# Altium PCB pcb-ash-power.PcbDoc (part 5 of 6)
Units mm, origin at the board's own origin, x right, y up, seen from the top; angles counter-clockwise.
Board outline 140 x 87 mm, 4 copper layers (Top Layer, VCC, GND, Bottom Layer), stack 1.641 mm thick; 589 components, 453 nets, 2323 pads, 1205 vias.
Unrouted connection lines stored in the file: 345.
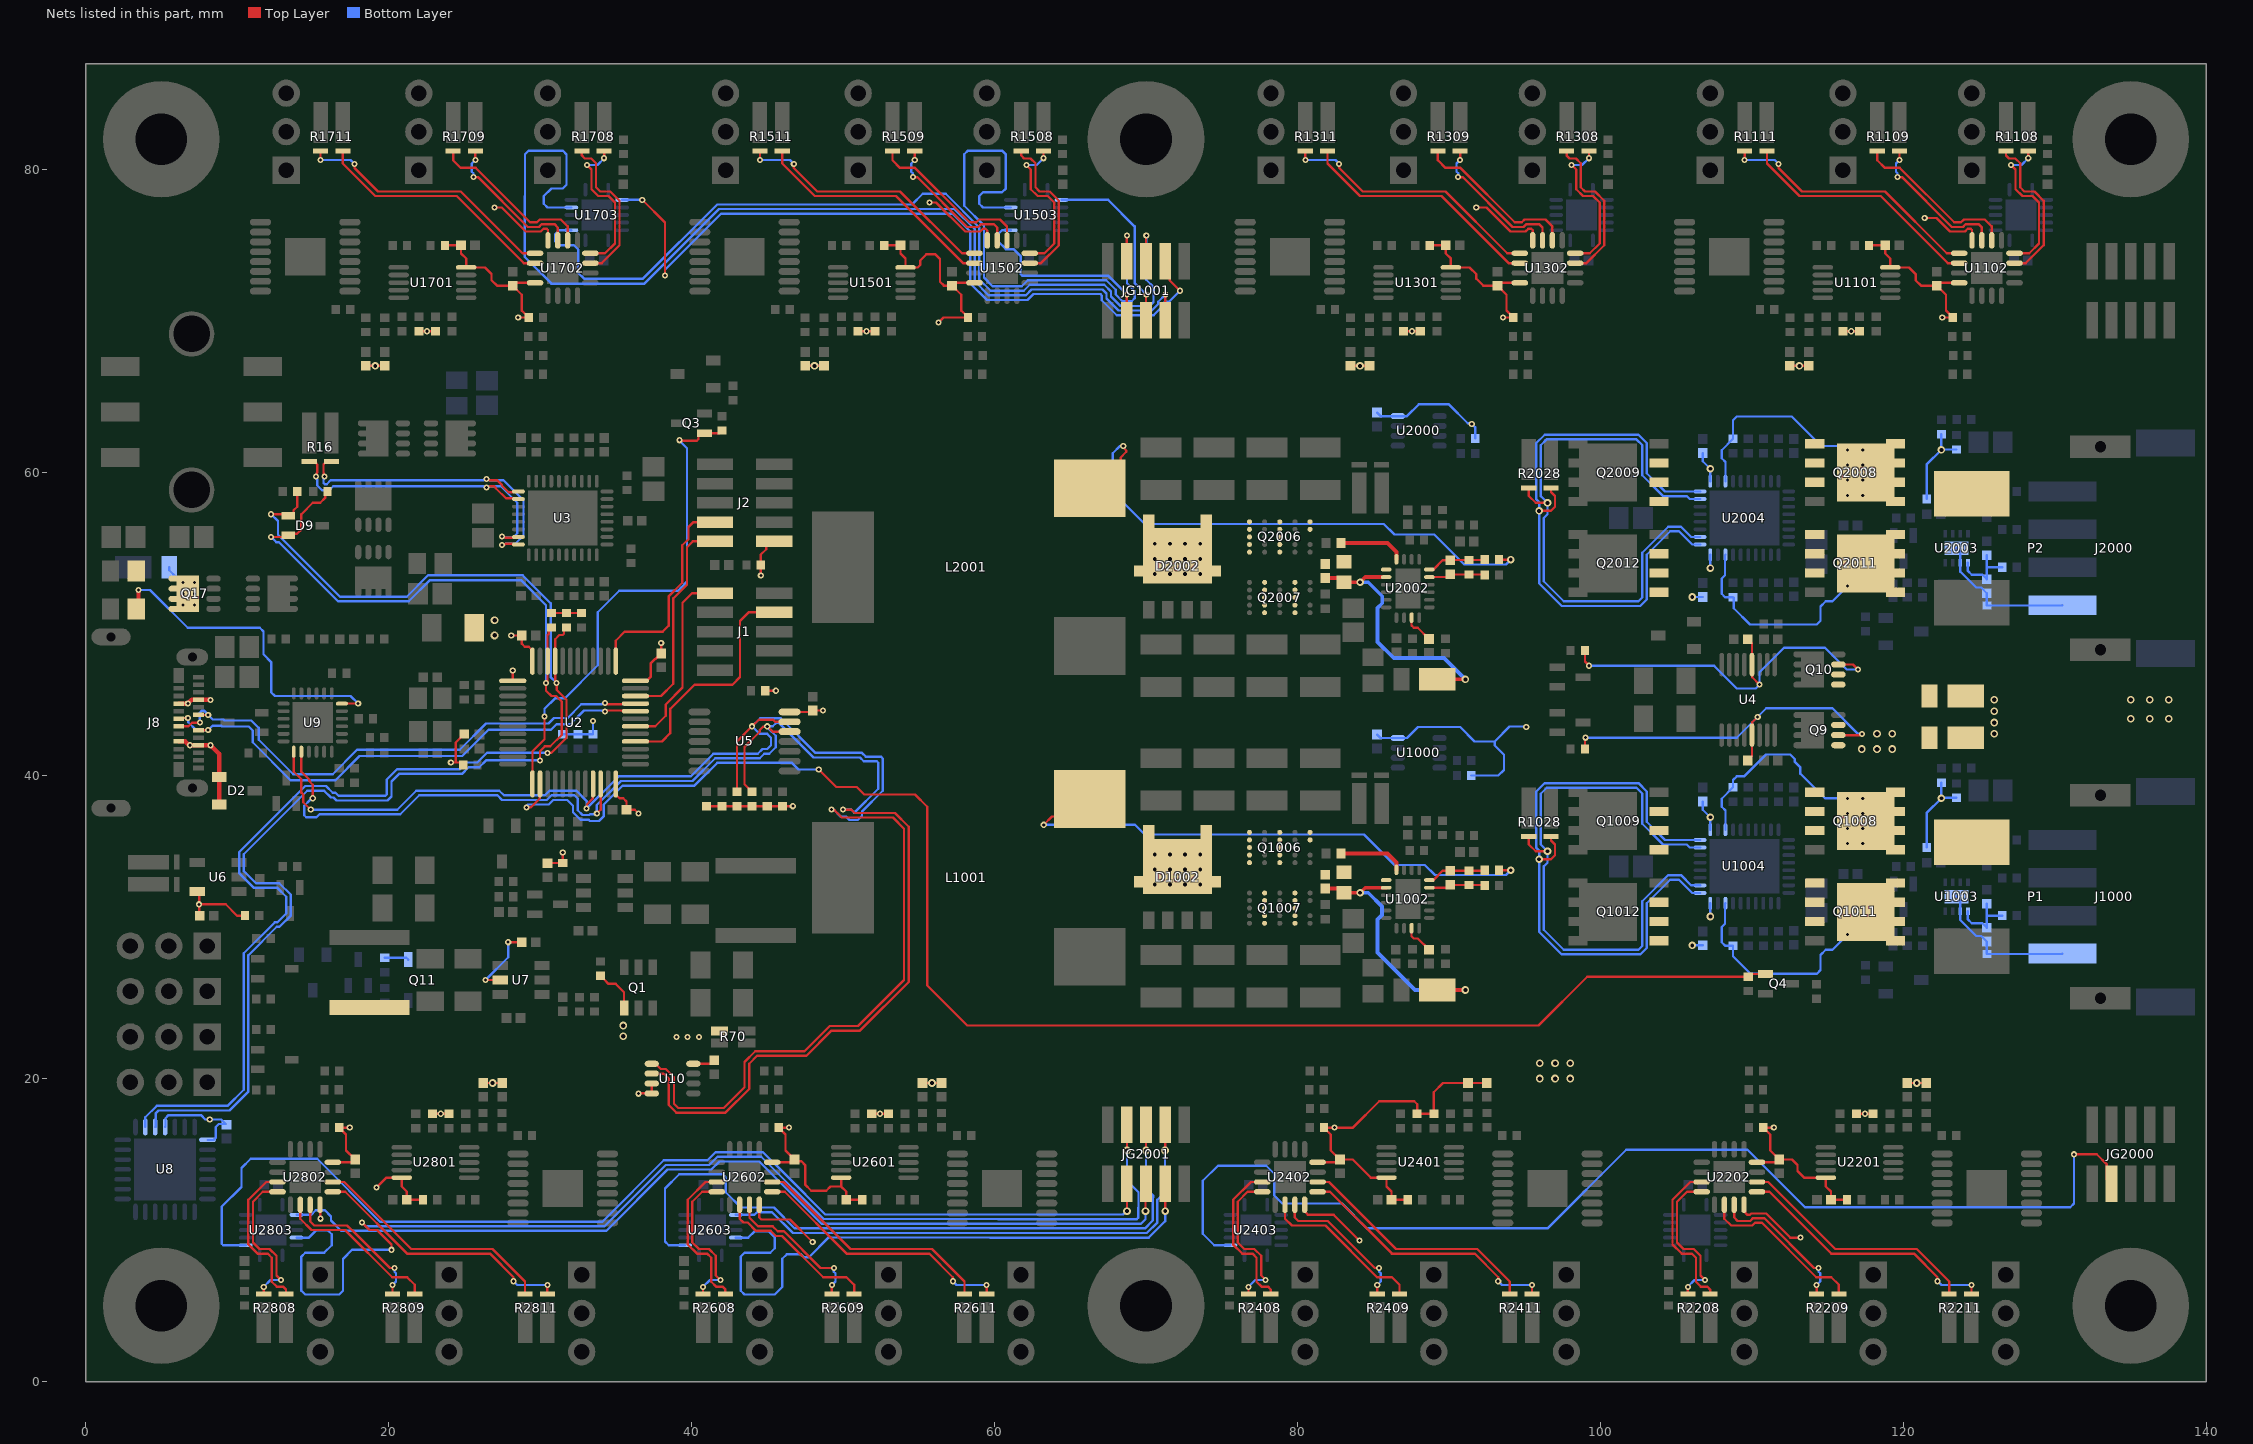
[diagram p7: the nets of this part, all layers, seen from the top]

## Via types
v1: diameter 0.5, hole 0.25, Top Layer to Bottom Layer, tented both sides, 250 vias
v2: diameter 0.406, hole 0.203, Top Layer to Bottom Layer, 244 vias
v3: diameter 0.5, hole 0.2, Top Layer to Bottom Layer, 202 vias
v4: diameter 0.508, hole 0.3, Top Layer to Bottom Layer, 155 vias
v5: diameter 0.4, hole 0.2, Top Layer to Bottom Layer, tented both sides, 103 vias
v6: diameter 0.508, hole 0.254, Top Layer to Bottom Layer, tented both sides, 82 vias
v7: diameter 1.27, hole 0.7, Top Layer to Bottom Layer, 48 vias
v8: diameter 0.4, hole 0.2, Top Layer to Bottom Layer, 47 vias
v9: diameter 0.5, hole 0.254, Top Layer to Bottom Layer, 24 vias
v10: diameter 0.508, hole 0.254, Top Layer to Bottom Layer, 19 vias
v11: diameter 0.508, hole 0.2, Top Layer to Bottom Layer, 17 vias
v12: diameter 0.406, hole 0.203, Top Layer to Bottom Layer, tented both sides, 10 vias
v13: diameter 0.508, hole 0.2, Top Layer to Bottom Layer, tented both sides, 4 vias

## Nets (pads, with @x,y where several pads share a name; then routed paths per layer and width w, separated by ;. In a path a pad name is that pad's centre, name@x,y a point inside that pad or via, vN(x,y) a via of type N, cw(c..) or ccw(c..) an arc to the next point about the centre after c; other vN are vias at no path point) (continued)
S5_LEG_R: JG2000.8 U2403.9 | length 77.1
  Top Layer w0.152: v2(131.25,15) 132.75,15 133.426,14.324 133.426,13.354 JG2000.8@133.73,13.05
  Bottom Layer w0.152: U2403.9@75.575,9 74.5,9 73.75,9.75 73.75,13.25 74.75,14.25 77.943,14.25 78.471,13.721 78.471,12.279 79,11.75 82.931,11.75 84.571,10.11 84.985,10.11 84.995,10.119 95.964,10.119 95.974,10.11 96.497,10.11 101.693,15.305 109.695,15.305 113.5,11.5 131,11.5 131.25,11.75 v2(131.25,15)
S6_LEG_L: JG1001.3 U1503.2 | length 13.8
  Top Layer w0.152: JG1001.3@68.73,70.05 68.73,71.73 v2(68.75,71.75)
  Bottom Layer w0.152: U1503.2@61.075,76 60.5,76 60.25,75.75 60.25,75.25 60.75,74.75 61.25,74.75 61.741,74.259 61.741,73.089 61.831,73 67.5,73 v2(68.75,71.75)
S6_LEG_R: JG2001.3 U2603.2 | length 35.4
  Top Layer w0.152: v6(71.25,15.25) 71.27,15.27 JG2001.3@71.27,16.95
  Bottom Layer w0.152: U2603.2@42.925,11 44.139,11 44.321,11.182 45.318,11.182 46.695,9.805 48.916,9.805 48.921,9.81 59.843,9.81 59.847,9.805 70.055,9.805 70.75,10.5 70.75,12 71.25,12.5 v6(71.25,15.25)
S7_LEG_L: JG1001.4 U1503.5 | length 35.8
  Top Layer w0.152: JG1001.4@68.73,73.95 68.73,75.63 v2(68.75,75.65)
  Bottom Layer w0.152: U1503.5@61.075,77.5 59.25,77.5 59,77.75 59,78.25 59.25,78.5 60.5,78.5 60.75,78.75 60.75,81 60.5,81.25 58.25,81.25 58.005,81.005 58.005,77.755 58,77.75 58,77.612 59.305,76.307 59.305,72.876 59.876,72.305 61.805,72.305 62.195,72.695 67.374,72.695 68,72.069 68,71.75 68.445,71.305 69.055,71.305 69.25,71.5 69.25,72 68.75,72.5 v2(68.75,75.65)
S7_LEG_R: JG2001.4 U2603.5 | length 42.2
  Top Layer w0.152: v6(71.27,11.25) JG2001.4@71.27,13.05
  Bottom Layer w0.152: U2603.5@42.925,9.5 43.75,9.5 44.15,9.9 45.1,9.9 45.5,9.5 45.5,8.8 45.2,8.5 43.5,8.5 43.25,8.25 43.25,6 43.5,5.75 45.5,5.75 45.995,6.245 45.995,8.104 46.296,8.404 47.227,8.404 47.421,8.21 47.752,8.21 49.047,9.505 59.716,9.505 59.721,9.5 70.181,9.5 71.27,10.589 v6(71.27,11.25)
S8_LEG_L: JG1001.5 U1503.9 | length 12.1
  Top Layer w0.152: JG1001.5@70,70.05 70,71.73 v2(70.02,71.75)
  Bottom Layer w0.152: U1503.9@64.425,78 67.5,78 69.25,76.25 69.25,72.52 v2(70.02,71.75)
S8_LEG_R: JG2001.5 U2603.9 | length 46.3
  Top Layer w0.152: v6(70,15.25) JG2001.5@70,16.95
  Bottom Layer w0.152: U2603.9@39.575,9 38.5,9 38.25,9.25 38.25,12.75 39.186,13.686 42.064,13.686 42.25,13.5 42.25,13.423 42.259,13.415 42.259,12.491 43.263,11.487 45.444,11.487 46.821,10.11 48.79,10.11 48.795,10.114 59.969,10.114 59.974,10.11 69.929,10.11 70.445,10.626 70.445,12.126 70.471,12.152 70.471,12.279 70,12.75 v6(70,15.25)
S9_LEG_L: JG1001.6 U1703.2 | length 57.4
  Top Layer w0.152: JG1001.6@70,73.95 70,75.63 v2(70.02,75.65)
  Bottom Layer w0.152: U1703.2@32.075,76 31.25,76 31,75.75 31,75.25 31.25,75 32.25,75 32.529,74.721 32.529,73.171 32.9,72.8 36.8,72.8 41.695,77.695 54.557,77.695 55.262,78.4 56.781,78.4 59,76.181 59,72.75 59.75,72 61.931,72 62.321,72.39 67.247,72.39 67.695,71.943 67.695,71.624 68.319,71 70.25,71 70.5,71.25 70.5,72.25 70.02,72.73 v2(70.02,75.65)
S9_LEG_R: JG2001.6 U2803.2 | length 63
  Top Layer w0.152: v6(69.963,11.25) 69.963,13.013 JG2001.6@70,13.05
  Bottom Layer w0.152: U2803.2@13.925,11 14.9,11 15.2,11.3 15.8,11.3 16.2,10.9 16.2,10.631 16.886,9.945 34.376,9.945 38.421,13.99 41.304,13.99 41.842,14.529 44.471,14.529 48.581,10.419 60.095,10.419 60.1,10.414 69.664,10.414 69.963,10.713 v6(69.963,11.25)
S10_LEG_L: JG1001.7 U1703.5 | length 68.5
  Top Layer w0.152: JG1001.7@71.27,70.05 71.27,71.73 v2(71.29,71.75)
  Bottom Layer w0.152: U1703.5@32.075,77.5 30.5,77.5 30.25,77.75 30.25,78.25 30.75,78.75 31.5,78.75 31.75,79 31.75,81 31.5,81.25 29.25,81.25 29.005,81.005 29.005,78.255 29,78.25 29,74.223 30.752,72.471 36.902,72.471 41.821,77.39 57.36,77.39 58.695,76.055 58.695,72.624 59.624,71.695 62.057,71.695 62.448,72.086 67.121,72.086 67.39,71.816 67.39,71.497 68.193,70.695 70.376,70.695 70.809,71.128 70.809,71.269 v2(71.29,71.75)
S10_LEG_R: JG2001.7 U2803.5 | length 80.8
  Top Layer w0.152: v2(18.25,10.5) 18.75,10 19.244,10 20.195,9.049 v2(20.195,8.695) ; JG2001.7@68.73,16.95 68.75,16.97 v6(68.75,15.25)
  Bottom Layer w0.152: U2803.5@13.925,9.5 14.75,9.5 15.245,9.995 15.974,9.995 16.25,9.719 16.25,9 15.75,8.5 14.5,8.5 14.25,8.25 14.25,6 14.5,5.75 16.75,5.75 16.995,5.995 16.995,8.095 17.595,8.695 v2(20.195,8.695) ; v2(18.25,10.5) 18.5,10.25 34.25,10.25 38.295,14.295 41.177,14.295 41.716,14.833 44.598,14.833 48.707,10.724 60.221,10.724 60.226,10.719 69.391,10.719 69.48,10.808 69.48,11.45 69.5,11.47 69.5,12.5 68.75,13.25 v6(68.75,15.25)
S11_LEG_L: JG1001.8 U1703.9 | length 51.3
  Top Layer w0.152: v2(36.75,78) 38.25,76.5 v2(38.25,73) ; JG1001.8@71.27,73.95 71.574,73.646 71.574,72.676 v2(72.25,72)
  Bottom Layer w0.152: U1703.9@35.425,78 v2(36.75,78) ; v2(38.25,73) 38.25,73.388 41.948,77.086 57.233,77.086 58.39,75.929 58.39,72.497 59.497,71.39 62.184,71.39 62.574,71.781 66.995,71.781 67.086,71.69 67.086,71.371 68.066,70.39 70.503,70.39 71.114,71.002 71.114,71.143 71.24,71.269 71.519,71.269 v2(72.25,72)
S11_LEG_R: JG2001.8 U2803.9 | length 73.1
  Top Layer w0.152: JG2001.8@68.73,13.05 68.75,13.03 v6(68.75,11.25)
  Bottom Layer w0.152: U2803.9@10.575,9 9.089,9 9,9.089 9,11.55 10.3,12.85 10.3,14.1 10.9,14.7 15.3,14.7 19.445,10.555 34.124,10.555 38.169,14.6 41.051,14.6 41.589,15.138 44.724,15.138 46.231,13.631 48.833,11.029 60.348,11.029 60.352,11.024 68.483,11.024 68.709,11.25 v6(68.75,11.25)
SCL_BAT: D9.1 R9.1 R40.2 U2.45 U8.23 | length 92
  Top Layer w0.152: v2(12.25,57.25) 13.275,57.25 D9.1@13.375,57.15 13.56,57.15 13.734,57.324 13.734,57.509 13.975,57.75 R40.2@13.975,58.75 ; v2(30.5,41.5) 30.75,41.5 31.75,42.5 31.75,45 31.1,45.65 v2(31.1,46.1) 31,46.2 U2.45@31,47.55 31,49 31.271,49.271 31.496,49.271 31.586,49.361 31.586,49.611 R9.1@31.75,49.775
  Bottom Layer w0.152: U8.23@3.95,16.8 3.95,17.45 4.695,18.195 9.376,18.195 10.445,19.264 10.445,28.264 12.499,30.318 12.679,30.318 13.25,30.889 13.25,32 12.664,32.586 11.121,32.586 10.14,33.566 10.14,34.934 14.512,39.305 15.876,39.305 16.321,38.86 16.503,38.86 16.698,38.664 19.801,38.664 19.89,38.754 19.89,39.739 20.566,40.414 24.721,40.414 25.166,40.86 25.86,40.86 26.5,41.5 v2(30.5,41.5) ; v2(12.25,57.25) 12.7,56.8 12.7,55.9 16.795,51.805 21.205,51.805 22.615,53.215 28.854,53.215 30.7,51.369 30.7,46.5 v2(31.1,46.1)
SCL_PWR: R11.1 U2.21 U5.13 U9.7 U10.5 | length 104.6
  Top Layer w0.152: U9.7@13.75,41.575 13.75,40.25 14.25,39.75 14.25,38.873 14.379,38.745 14.379,38.239 v2(14.868,37.75) ; v2(33.077,37.825) 33.104,37.852 33.104,38.104 33.485,38.485 33.485,39.435 U2.21@33.5,39.45 ; U10.5@37.375,20.975 37.627,20.975 37.972,20.63 38.301,20.63 38.841,20.091 38.841,18.341 39.126,18.055 42.124,18.055 43.5,19.431 43.5,21.1 44.205,21.805 47.457,21.805 49.121,23.469 50.995,23.469 54.031,26.505 54.031,36.495 53.3,37.226 49.913,37.226 49.568,37.571 49.568,37.584 49.451,37.701 49.299,37.701 v2(49.25,37.75) ; R11.1@43,38.925 43,42.25 v2(44,43.25) 44.432,43.682 45.388,43.682 45.519,43.55 U5.13@46.475,43.55
  Bottom Layer w0.152: v2(14.868,37.75) 20.577,37.75 21.827,39 27.314,39 27.619,38.695 30.324,38.695 30.629,39 32.4,39 33.077,38.323 v2(33.077,37.825) 35.197,39.945 39.945,39.945 41.445,41.445 44.376,41.445 44.681,41.75 45,41.75 45.25,42 45.25,42.5 45,42.75 44.5,42.75 v2(44,43.25) 44.531,43.781 45.895,43.781 48.181,41.495 51.25,41.495 51.495,41.25 52.5,41.25 52.627,41.123 52.627,39 51.25,37.623 51.25,37.339 50.979,37.068 50.432,37.068 50.201,37.299 49.84,37.299 49.389,37.75 v2(49.25,37.75)
SDA_BAT: D9.2 R10.1 R39.2 U2.46 U8.24 | length 92.4
  Top Layer w0.152: v2(12.25,55.75) 13.275,55.75 D9.2@13.375,55.85 13.489,55.964 13.964,55.964 14.25,56.25 14.25,57.25 15,58 15.5,58 15.816,58.316 15.816,58.591 R39.2@15.975,58.75 ; v2(30,41) 30,41.611 30.321,41.932 30.682,41.932 31.445,42.695 31.445,44.874 31.069,45.25 30.75,45.25 30.4,45.6 v2(30.4,46.1) 30.5,46.2 U2.46@30.5,47.55 30.5,49.275 30.586,49.361 30.586,49.611 R10.1@30.75,49.775
  Bottom Layer w0.152: U8.24@4.6,16.8 4.628,16.828 4.628,17.697 4.821,17.89 9.503,17.89 10.75,19.138 10.75,28.138 12.626,30.013 12.805,30.013 13.555,30.763 13.555,32.126 12.791,32.89 11.248,32.89 10.445,33.693 10.445,34.807 14.638,39 15.75,39 16.195,38.555 16.376,38.555 16.571,38.36 19.929,38.36 20.195,38.626 20.195,39.613 20.692,40.11 24.847,40.11 25.293,40.555 25.986,40.555 26.431,41 v2(30,41) ; v2(12.25,55.75) 12.6,55.4 12.769,55.4 12.834,55.335 16.669,51.5 21.331,51.5 22.731,52.9 28.738,52.9 30.395,51.243 30.395,46.105 v2(30.4,46.1)
SDA_PWR: R12.1 U2.22 U5.12 U9.8 U10.6 | length 102.5
  Top Layer w0.152: U9.8@14.25,41.575 14.25,40.25 14.8,39.7 14.75,39.65 15,39.4 v2(15,38.5) ; v2(33.75,37.5) 34,37.75 U2.22@34,39.45 ; U10.6@37.375,20.325 38.175,20.325 38.5,20 38.5,18.25 39,17.75 42.25,17.75 43.805,19.305 43.805,20.974 44.331,21.5 47.583,21.5 49.247,23.164 51.121,23.164 54.336,26.379 54.336,36.621 53.426,37.531 50.781,37.531 50.562,37.75 v2(50,37.75) ; R12.1@44,38.925 43.5,39.425 43.5,41.889 44.5,42.889 44.5,43 44.722,43.222 44.972,43.222 v2(45,43.25) 45.35,42.9 U5.12@46.475,42.9
  Bottom Layer w0.152: v2(15,38.5) 14.931,38.5 14.814,38.383 14.811,38.383 14.436,38.007 14.436,37.378 14.564,37.25 15.25,37.25 15.445,37.445 20.777,37.445 22.027,38.695 27.188,38.695 27.493,38.39 30.45,38.39 30.755,38.695 32.274,38.695 32.484,38.484 32.484,37.709 32.8,37.393 33.256,37.393 33.318,37.456 33.706,37.456 v2(33.75,37.5) 33.75,38.05 35.34,39.64 40.071,39.64 41.571,41.14 44.503,41.14 44.807,41.445 45.126,41.445 45.555,41.874 45.555,42.626 45.118,43.063 45,43.181 v2(45,43.25) 45.364,43.25 45.59,43.476 45.769,43.476 48.054,41.19 51.124,41.19 51.369,40.945 52.233,40.945 52.322,40.856 52.322,39.126 50.75,37.554 50.554,37.75 v2(50,37.75)
SELF_TEST_OK: J1.7 U2.28 | length 15.8
  Top Layer w0.152: U2.28@36.3,42.25 38.05,42.25 38.6,42.8 38.6,44.4 40.2,46 42.7,46 43.2,46.5 43.2,50.2 43.77,50.77 J1.7@45.45,50.77
SENSE1_HS_L_N: R1028.4 U1004.30 U1004.35 | length 39.6
  Top Layer w0.152: R1028.4@95.265,35.975 95.265,35.455 95.72,35 v6(96.5,35)
  Bottom Layer w0.152: U1004.30@106.575,32.75 105.99,32.75 105.311,33.429 104.479,33.429 102.75,31.7 102.75,28.75 102.5,28.5 97.575,28.5 96.255,29.82 96.255,34.005 96.5,34.25 v6(96.5,35) 96.055,35.445 96.055,38.805 96.445,39.195 102.374,39.195 102.75,38.819 102.75,36.824 104.129,35.445 105.7,35.445 105.895,35.25 U1004.35@106.575,35.25
SENSE1_HS_L_P: R1028.3 U1004.29 U1004.36 | length 41
  Top Layer w0.152: v6(95.95,34.472) 96.735,34.472 97,34.737 97,35.455 96.735,35.72 R1028.3@96.735,35.976
  Bottom Layer w0.152: U1004.29@106.575,32.25 106.059,32.25 105.185,33.124 104.605,33.124 103.055,31.574 103.055,28.624 102.626,28.195 97.449,28.195 95.95,29.694 v6(95.95,34.472) 95.95,35.05 95.75,35.25 95.75,38.931 96.319,39.5 102.5,39.5 103.055,38.945 103.055,36.95 104.255,35.75 U1004.36@106.575,35.75
SENSE1_HS_R_N: R2028.4 U2004.30 U2004.35 | length 39.6
  Top Layer w0.152: R2028.4@95.265,58.975 95.265,58.455 95.72,58 v10(96.5,58)
  Bottom Layer w0.152: U2004.30@106.575,55.75 105.99,55.75 105.311,56.429 104.479,56.429 102.75,54.7 102.75,51.75 102.5,51.5 97.575,51.5 96.255,52.82 96.255,57.005 96.5,57.25 v10(96.5,58) 96.055,58.445 96.055,61.805 96.44,62.19 102.379,62.19 102.75,61.819 102.75,59.824 104.129,58.445 105.7,58.445 105.895,58.25 U2004.35@106.575,58.25
SENSE1_HS_R_P: R2028.3 U2004.29 U2004.36 | length 41
  Top Layer w0.152: v10(95.95,57.472) 96.735,57.472 97,57.737 97,58.455 96.735,58.72 R2028.3@96.735,58.976
  Bottom Layer w0.152: U2004.29@106.575,55.25 106.059,55.25 105.185,56.124 104.605,56.124 103.055,54.574 103.055,51.624 102.626,51.195 97.449,51.195 95.95,52.694 v10(95.95,57.472) 95.95,58.05 95.75,58.25 95.75,61.931 96.314,62.495 102.505,62.495 103.055,61.945 103.055,59.95 104.255,58.75 U2004.36@106.575,58.75
SENSE2_N: R16.4 U3.30 U3.35 | length 22.6
  Top Layer w0.152: R16.4@14.765,60.725 14.864,60.626 15.208,60.626 15.297,60.537 15.297,60 15.269,59.972 15.269,59.799 v2(15.221,59.75) ; 26.677,59.094 26.996,59.094 27.085,59.004 27.085,58.965 27.753,58.297 28.159,58.297 28.187,58.269 28.556,58.269 U3.30@28.575,58.25 ; v2(27.5,55.779) 27.549,55.731 27.689,55.731 27.716,55.703 28.159,55.703 28.187,55.731 28.556,55.731 U3.35@28.575,55.75
  Bottom Layer w0.152: v2(15.221,59.75) 15.269,59.701 15.269,59.561 15.297,59.534 15.297,59.15 15.624,58.823 16.087,58.823 16.358,59.094 26.245,59.094 26.272,59.066 26.413,59.066 v2(26.461,59.017) 26.51,59.066 26.65,59.066 26.677,59.094 27.406,59.094 28.5,58 28.5,56 28.203,55.703 27.716,55.703 27.689,55.731 27.549,55.731 v2(27.5,55.779)
SENSE2_P: R16.3 U3.29 U3.36 | length 23.3
  Top Layer w0.152: v2(15.779,59.75) 15.731,59.799 15.731,59.972 15.703,60 15.703,60.538 15.792,60.627 16.136,60.627 R16.3@16.235,60.726 ; 26.677,59.5 27.164,59.5 27.491,59.173 27.491,59.133 27.921,58.703 28.159,58.703 28.187,58.731 28.556,58.731 U3.29@28.575,58.75 ; v2(27.5,55.221) 27.549,55.269 27.689,55.269 27.716,55.297 28.159,55.297 28.187,55.269 28.556,55.269 U3.36@28.575,55.25
  Bottom Layer w0.152: v2(15.779,59.75) 15.731,59.701 15.731,59.561 15.703,59.534 15.703,59.318 15.792,59.229 15.919,59.229 16.19,59.5 26.245,59.5 26.272,59.528 26.413,59.528 v2(26.461,59.576) 26.51,59.528 26.65,59.528 26.677,59.5 27.575,59.5 28.906,58.168 28.906,55.832 28.372,55.297 27.716,55.297 27.689,55.269 27.549,55.269 v2(27.5,55.221)
SENSE+_REG_L: C1042.1 R1024.1 R1025.2 U1002.6 | length 3.9
  Top Layer w0.152: U1002.6@88.705,33.1 88.97,33.1 89.58,33.71 C1042.1@90.08,33.71 90.095,33.725 R1025.2@91.33,33.725 92.33,33.725 R1024.1@92.355,33.75
SENSE+_REG_R: C2042.1 R2024.1 R2025.2 U2002.6 | length 3.9
  Top Layer w0.152: U2002.6@88.705,53.6 88.97,53.6 89.58,54.21 C2042.1@90.08,54.21 90.095,54.225 R2025.2@91.33,54.225 92.33,54.225 R2024.1@92.355,54.25
SENSE-_REG_L: C1042.2 R1025.1 R1026.1 U1002.5 | length 3.7
  Top Layer w0.152: U1002.5@88.705,32.6 89.89,32.6 C1042.2@90.08,32.79 90.095,32.775 R1025.1@91.33,32.775 92.33,32.775 R1026.1@92.355,32.75
SENSE-_REG_R: C2042.2 R2025.1 R2026.1 U2002.5 | length 3.7
  Top Layer w0.152: U2002.5@88.705,53.1 89.89,53.1 C2042.2@90.08,53.29 90.095,53.275 R2025.1@91.33,53.275 92.33,53.275 R2026.1@92.355,53.25
SHDN_EXT: Q3.1 R6.2 U2.13 | length 33
  Top Layer w0.152: U2.13@29.5,39.45 29.5,41.6 30.3,42.4 v2(30.3,43.9) ; v2(39.2,62.137) 39.237,62.1 40.35,62.1 40.466,62.216 40.466,62.426 40.64,62.6 Q3.1@40.85,62.6 41.825,62.6 R6.2@42,62.775
  Bottom Layer w0.152: v2(30.3,43.9) 30.3,44.411 30.985,45.095 31.626,45.095 33.805,47.274 33.805,50.774 35.231,52.2 39.1,52.2 39.3,52.4 39.7,52.8 39.7,61.6 39.2,62.1 v2(39.2,62.137)
SHDN_HS: Q4.1 R7.2 U2.14 | length 102.5
  Top Layer w0.152: v2(29.1,37.9) 29.103,37.903 29.403,37.903 29.985,38.485 29.985,39.435 U2.14@30,39.45 ; v2(48.4,40.4) 49.55,39.25 50.904,39.25 51.404,38.75 54.75,38.75 55.555,37.945 55.555,26.145 58.2,23.5 95.9,23.5 99.125,26.725 R7.2@109.75,26.725 109.925,26.9 Q4.1@110.9,26.9
  Bottom Layer w0.152: v2(29.1,37.9) 29.1,38 29.186,38.086 30.576,38.086 30.881,38.39 31.8,38.39 32.18,38.011 32.18,37.583 32.674,37.089 33.211,37.089 33.3,37 33.9,37 34.2,37.3 34.2,38.069 35.467,39.336 40.198,39.336 41.698,40.836 46.635,40.836 47.07,40.4 v2(48.4,40.4)
SOURCE1_HS_L: C1044.2 Q1008.1 Q1008.2 Q1008.3 Q1009.1 Q1009.2 Q1009.3 U1004.1 | length 2.1
  Bottom Layer w0.152: C1044.2@106.75,38.29 106.75,37.75 v6(107.25,37.25) U1004.1@107.25,36.425
SOURCE1_HS_R: C2044.2 Q2008.1 Q2008.2 Q2008.3 Q2009.1 Q2009.2 Q2009.3 U2004.1 | length 2.1
  Bottom Layer w0.152: C2044.2@106.75,61.29 106.75,60.75 v10(107.25,60.25) U2004.1@107.25,59.425
SOURCE2_HS_L: C1052.2 Q1011.1 Q1011.2 Q1011.3 Q1012.1 Q1012.2 Q1012.3 U1004.28 | length 1.6
  Bottom Layer w0.152: v6(106.055,28.79) C1052.2@106.75,28.79 ; v6(107.25,30.692) U1004.28@107.25,31.575
SOURCE2_HS_R: C2052.2 Q2011.1 Q2011.2 Q2011.3 Q2012.1 Q2012.2 Q2012.3 U2004.28 | length 1.6
  Bottom Layer w0.152: v10(106.055,51.79) C2052.2@106.75,51.79 ; v10(107.25,53.692) U2004.28@107.25,54.575
SS1+_LEG11: R1108.3 U1102.12 | length 10
  Top Layer w0.152: v5(127.1,80.3) 127.395,80.005 127.395,78.702 127.848,78.25 128.514,78.25 128.945,77.819 128.945,75.126 128.294,74.475 U1102.12@127.325,74.475 ; v5(128.235,80.748) R1108.3@128.235,81.226
  Bottom Layer w0.152: v5(127.1,80.3) 127.787,80.3 v5(128.235,80.748)
SS1+_LEG12: R2208.3 U2202.12 | length 10
  Top Layer w0.152: R2208.3@105.765,5.774 v5(105.765,6.252) ; U2202.12@106.675,12.525 105.706,12.525 105.055,11.874 105.055,9.181 105.486,8.75 106.152,8.75 106.605,8.298 106.605,6.995 v5(106.9,6.7)
  Bottom Layer w0.152: v5(105.765,6.252) 106.213,6.7 v5(106.9,6.7)
SS1+_LEG21: R1308.3 U1302.12 | length 10
  Top Layer w0.152: v5(98.1,80.3) 98.395,80.005 98.395,78.702 98.848,78.25 99.514,78.25 99.945,77.819 99.945,75.126 99.294,74.475 U1302.12@98.325,74.475 ; v5(99.235,80.748) R1308.3@99.235,81.226
  Bottom Layer w0.152: v5(98.1,80.3) 98.787,80.3 v5(99.235,80.748)
SS1+_LEG22: R2408.3 U2402.12 | length 10
  Top Layer w0.152: R2408.3@76.765,5.774 v5(76.765,6.252) ; U2402.12@77.675,12.525 76.706,12.525 76.055,11.874 76.055,9.181 76.486,8.75 77.152,8.75 77.605,8.298 77.605,6.995 v5(77.9,6.7)
  Bottom Layer w0.152: v5(76.765,6.252) 77.213,6.7 v5(77.9,6.7)
SS1+_LEG31: R1508.3 U1502.12 | length 10
  Top Layer w0.152: v5(62.1,80.3) 62.395,80.005 62.395,78.702 62.848,78.25 63.514,78.25 63.945,77.819 63.945,75.126 63.294,74.475 U1502.12@62.325,74.475 ; v5(63.235,80.748) R1508.3@63.235,81.226
  Bottom Layer w0.152: v5(62.1,80.3) 62.787,80.3 v5(63.235,80.748)
SS1+_LEG32: R2608.3 U2602.12 | length 10
  Top Layer w0.152: R2608.3@40.765,5.774 v5(40.765,6.252) ; U2602.12@41.675,12.525 40.706,12.525 40.055,11.874 40.055,9.181 40.486,8.75 41.152,8.75 41.605,8.298 41.605,6.995 v5(41.9,6.7)
  Bottom Layer w0.152: v5(40.765,6.252) 41.213,6.7 v5(41.9,6.7)
SS1+_LEG41: R1708.3 U1702.12 | length 10
  Top Layer w0.152: v5(33.1,80.3) 33.395,80.005 33.395,78.702 33.848,78.25 34.514,78.25 34.945,77.819 34.945,75.126 34.294,74.475 U1702.12@33.325,74.475 ; v5(34.235,80.748) R1708.3@34.235,81.226